# Altium PCB MercurialSDR.PcbDoc (part 4 of 6)
Units mil, origin at the board's own origin, x right, y up, seen from the top; angles counter-clockwise.
Board outline 3937.01 x 2362.2 mil, 2 copper layers (Top Layer, Bottom Layer); 147 components, 115 nets, 574 pads, 237 vias.
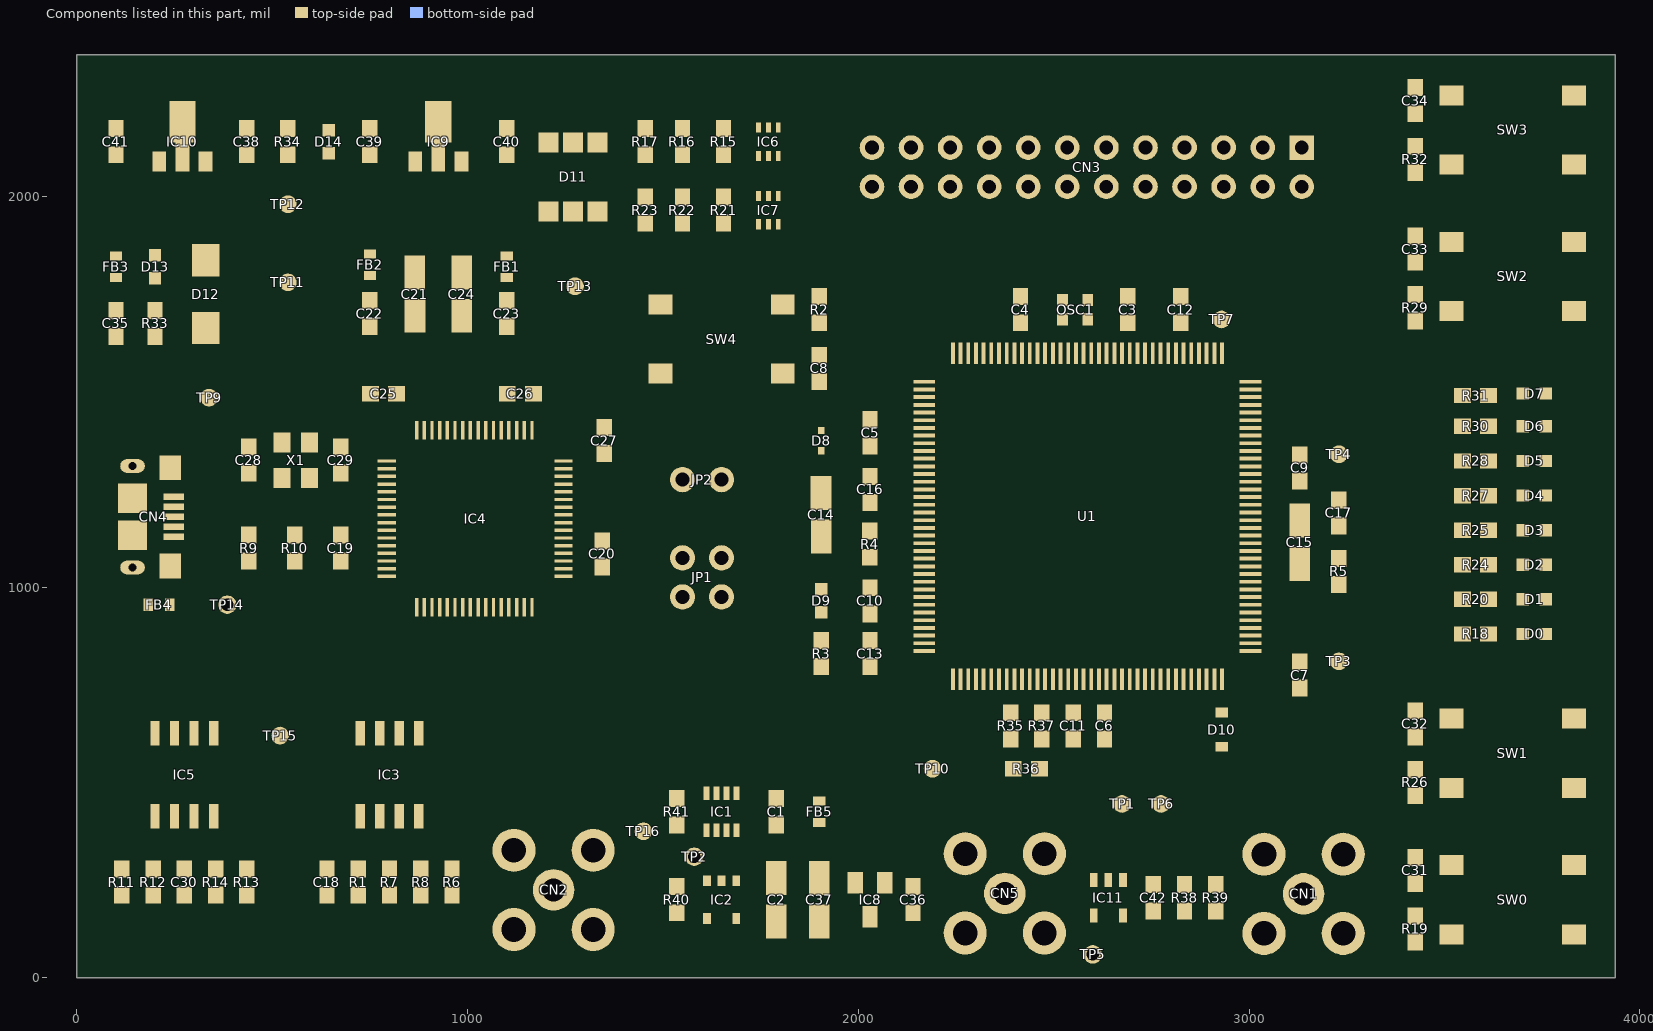
[diagram p4: the components of this part, seen from the top]

## Via types
v1: diameter 27.56, hole 15.75, Top Layer to Bottom Layer, tented both sides, 237 vias

## Nets (pads, with @x,y where several pads share a name; then routed paths per layer and width w, separated by ;. In a path a pad name is that pad's centre, name@x,y a point inside that pad or via, vN(x,y) a via of type N, cw(c..) or ccw(c..) an arc to the next point about the centre after c; other vN are vias at no path point) (continued)
copper on no net: (continued)
  Bottom Layer w0.9: 3730,289.3 3730,303.7 ; 3730,338.8 3730,353.2 ; 3730,368.5 3730,390.1 ; 3730,416.2 3730,430.6 ; 3730,445 3730,460.3 ; 3730,476.5 3730,490 ; 3730,526 3730,540.4 ; 3730,572.8 3730,587.2 ; 3730,625 3730,644.8 ; 3730,662.8 3730,682.6 ; 3730,719.5 3730,724.9 ; 3730,733 3730,738.4 ; 3730,767.2 3730,784.3 ; 3730,792.4 3730,805 ; 3730,813.1 3730,830.2 ; 3730,858.1 3730,863.5 ; 3730,872.5 3730,877 ; 3730.9,86.8 3730.9,94 ; 3730.9,104.8 3730.9,108.4 ; 3730.9,111.1 3730.9,114.7 ; 3730.9,121.9 3730.9,125.5 ; 3730.9,128.2 3730.9,130.9 ; 3730.9,136.3 3730.9,139.9 ; 3730.9,142.6 3730.9,145.3 ; 3730.9,163.3 3730.9,170.5 ; 3730.9,172.3 3730.9,175.9 ; 3730.9,186.7 3730.9,190.3 ; 3730.9,192.1 3730.9,194.8 ; 3730.9,198.4 3730.9,202.9 ; 3730.9,203.8 3730.9,206.5 ; 3730.9,218.2 3730.9,221.8 ; 3730.9,224.5 3730.9,228.1 ; 3730.9,236.2 3730.9,239.8 ; 3730.9,242.5 3730.9,247 ; 3730.9,253.3 3730.9,256 ; 3730.9,289.3 3730.9,303.7 ; 3730.9,338.8 3730.9,353.2 ; 3730.9,368.5 3730.9,430.6 ; 3730.9,445 3730.9,461.2 ; 3730.9,476.5 3730.9,490 ; 3730.9,526 3730.9,540.4 ; 3730.9,572.8 3730.9,587.2 ; 3730.9,625.9 3730.9,648.4 ; 3730.9,659.2 3730.9,681.7 ; 3730.9,719.5 3730.9,724.9 ; 3730.9,733 3730.9,738.4 ; 3730.9,766.3 3730.9,783.4 ; 3730.9,792.4 3730.9,805 ; 3730.9,814 3730.9,831.1 ; 3730.9,858.1 3730.9,863.5 ; 3730.9,871.6 3730.9,877 ; 3731.8,83.2 3731.8,93.1 ; 3731.8,95.8 3731.8,108.4 ; 3731.8,111.1 3731.8,125.5 ; 3731.8,128.2 3731.8,130.9 ; 3731.8,136.3 3731.8,139.9 ; 3731.8,142.6 3731.8,146.2 ; 3731.8,159.7 3731.8,169.6 ; 3731.8,172.3 3731.8,175.9 ; 3731.8,186.7 3731.8,190.3 ; 3731.8,192.1 3731.8,194.8 ; 3731.8,198.4 3731.8,202 ; 3731.8,203.8 3731.8,206.5 ; 3731.8,209.2 3731.8,221.8 ; 3731.8,224.5 3731.8,228.1 ; 3731.8,236.2 3731.8,239.8 ; 3731.8,243.4 3731.8,256 ; 3731.8,289.3 3731.8,303.7 ; 3731.8,338.8 3731.8,353.2 ; 3731.8,369.4 3731.8,430.6 ; 3731.8,444.1 3731.8,461.2 ; 3731.8,476.5 3731.8,490 ; 3731.8,526 3731.8,540.4 ; 3731.8,572.8 3731.8,587.2 ; 3731.8,625.9 3731.8,680.8 ; 3731.8,720.4 3731.8,724.9 ; 3731.8,733.9 3731.8,739.3 ; 3731.8,766.3 3731.8,782.5 ; 3731.8,792.4 3731.8,805 ; 3731.8,814.9 3731.8,831.1 ; 3731.8,858.1 3731.8,863.5 ; 3731.8,871.6 3731.8,877 ; 3732.7,81.4 3732.7,92.2 ; 3732.7,95.8 3732.7,108.4 ; 3732.7,112 3732.7,125.5 ; 3732.7,128.2 3732.7,130.9 ; 3732.7,135.4 3732.7,139 ; 3732.7,142.6 3732.7,146.2 ; 3732.7,157.9 3732.7,168.7 ; 3732.7,172.3 3732.7,175.9 ; 3732.7,186.7 3732.7,190.3 ; 3732.7,192.1 3732.7,194.8 ; 3732.7,197.5 3732.7,201.1 ; 3732.7,203.8 3732.7,206.5 ; 3732.7,209.2 3732.7,221.8 ; 3732.7,224.5 3732.7,228.1 ; 3732.7,236.2 3732.7,239.8 ; 3732.7,243.4 3732.7,256 ; 3732.7,289.3 3732.7,303.7 ; 3732.7,338.8 3732.7,353.2 ; 3732.7,369.4 3732.7,430.6 ; 3732.7,444.1 3732.7,462.1 ; 3732.7,476.5 3732.7,490 ; 3732.7,526 3732.7,540.4 ; 3732.7,572.8 3732.7,587.2 ; 3732.7,626.8 3732.7,680.8 ; 3732.7,720.4 3732.7,725.8 ; 3732.7,733.9 3732.7,739.3 ; 3732.7,766.3 3732.7,782.5 ; 3732.7,792.4 3732.7,805 ; 3732.7,815.8 3732.7,832 ; 3732.7,857.2 3732.7,862.6 ; 3732.7,870.7 3732.7,876.1 ; 3733.6,80.5 3733.6,89.5 ; 3733.6,95.8 3733.6,108.4 ; 3733.6,112 3733.6,125.5 ; 3733.6,128.2 3733.6,130.9 ; 3733.6,135.4 3733.6,139 ; 3733.6,143.5 3733.6,147.1 ; 3733.6,157 3733.6,166 ; 3733.6,172.3 3733.6,175.9 ; 3733.6,186.7 3733.6,190.3 ; 3733.6,192.1 3733.6,194.8 ; 3733.6,196.6 3733.6,201.1 ; 3733.6,203.8 3733.6,206.5 ; 3733.6,209.2 3733.6,221.8 ; 3733.6,224.5 3733.6,228.1 ; 3733.6,236.2 3733.6,239.8 ; 3733.6,242.5 3733.6,256 ; 3733.6,289.3 3733.6,303.7 ; 3733.6,338.8 3733.6,353.2 ; 3733.6,370.3 3733.6,430.6 ; 3733.6,444.1 3733.6,462.1 ; 3733.6,476.5 3733.6,490 ; 3733.6,526 3733.6,540.4 ; 3733.6,572.8 3733.6,587.2 ; 3733.6,627.7 3733.6,679.9 ; 3733.6,720.4 3733.6,725.8 ; 3733.6,733.9 3733.6,740.2 ; 3733.6,765.4 3733.6,781.6 ; 3733.6,792.4 3733.6,805 ; 3733.6,815.8 3733.6,832 ; 3733.6,857.2 3733.6,862.6 ; 3733.6,870.7 3733.6,876.1 ; 3734.5,79.6 3734.5,85.9 ; 3734.5,104.8 3734.5,108.4 ; 3734.5,112 3734.5,125.5 ; 3734.5,128.2 3734.5,130.9 ; 3734.5,135.4 3734.5,147.1 ; 3734.5,157 3734.5,162.4 ; 3734.5,172.3 3734.5,175.9 ; 3734.5,186.7 3734.5,190.3 ; 3734.5,192.1 3734.5,194.8 ; 3734.5,196.6 3734.5,200.2 ; 3734.5,203.8 3734.5,206.5 ; 3734.5,218.2 3734.5,221.8 ; 3734.5,224.5 3734.5,228.1 ; 3734.5,236.2 3734.5,239.8 ; 3734.5,241.6 3734.5,246.1 ; 3734.5,253.3 3734.5,256 ; 3734.5,289.3 3734.5,303.7 ; 3734.5,338.8 3734.5,353.2 ; 3734.5,371.2 3734.5,430.6 ; 3734.5,444.1 3734.5,462.1 ; 3734.5,476.5 3734.5,490 ; 3734.5,526 3734.5,540.4 ; 3734.5,572.8 3734.5,587.2 ; 3734.5,628.6 3734.5,679 ; 3734.5,721.3 3734.5,725.8 ; 3734.5,734.8 3734.5,740.2 ; 3734.5,765.4 3734.5,780.7 ; 3734.5,792.4 3734.5,805 ; 3734.5,816.7 3734.5,832 ; 3734.5,856.3 3734.5,861.7 ; 3734.5,870.7 3734.5,876.1 ; 3735.4,79.6 3735.4,83.2 ; 3735.4,91.3 3735.4,94 ; 3735.4,104.8 3735.4,108.4 ; 3735.4,111.1 3735.4,114.7 ; 3735.4,121.9 3735.4,125.5 ; 3735.4,128.2 3735.4,130.9 ; 3735.4,134.5 3735.4,147.1 ; 3735.4,156.1 3735.4,160.6 ; 3735.4,167.8 3735.4,171.4 ; 3735.4,172.3 3735.4,175.9 ; 3735.4,186.7 3735.4,189.4 ; 3735.4,192.1 3735.4,194.8 ; 3735.4,195.7 3735.4,199.3 ; 3735.4,203.8 3735.4,206.5 ; 3735.4,218.2 3735.4,221.8 ; 3735.4,224.5 3735.4,228.1 ; 3735.4,236.2 3735.4,239.8 ; 3735.4,241.6 3735.4,245.2 ; 3735.4,253.3 3735.4,256 ; 3735.4,289.3 3735.4,303.7 ; 3735.4,338.8 3735.4,353.2 ; 3735.4,372.1 3735.4,430.6 ; 3735.4,444.1 3735.4,462.1 ; 3735.4,476.5 3735.4,490 ; 3735.4,526 3735.4,540.4 ; 3735.4,572.8 3735.4,587.2 ; 3735.4,629.5 3735.4,678.1 ; 3735.4,721.3 3735.4,726.7 ; 3735.4,734.8 3735.4,741.1 ; 3735.4,765.4 3735.4,780.7 ; 3735.4,792.4 3735.4,805 ; 3735.4,816.7 3735.4,832.9 ; 3735.4,856.3 3735.4,861.7 ; 3735.4,869.8 3735.4,875.2 ; 3736.3,79.6 3736.3,83.2 ; 3736.3,91.3 3736.3,94 ; 3736.3,104.8 3736.3,108.4 ; 3736.3,111.1 3736.3,114.7 ; 3736.3,121.9 3736.3,125.5 ; 3736.3,128.2 3736.3,130.9 ; 3736.3,134.5 3736.3,148 ; 3736.3,156.1 3736.3,159.7 ; 3736.3,167.8 3736.3,171.4 ; 3736.3,172.3 3736.3,175.9 ; 3736.3,185.8 3736.3,189.4 ; 3736.3,192.1 3736.3,199.3 ; 3736.3,203.8 3736.3,206.5 ; 3736.3,218.2 3736.3,221.8 ; 3736.3,224.5 3736.3,228.1 ; 3736.3,236.2 3736.3,239.8 ; 3736.3,241.6 3736.3,245.2 ; 3736.3,253.3 3736.3,256 ; 3736.3,289.3 3736.3,303.7 ; 3736.3,338.8 3736.3,353.2 ; 3736.3,373 3736.3,430.6 ; 3736.3,444.1 3736.3,462.1 ; 3736.3,476.5 3736.3,490 ; 3736.3,526 3736.3,540.4 ; 3736.3,572.8 3736.3,587.2 ; 3736.3,630.4 3736.3,677.2 ; 3736.3,721.3 3736.3,726.7 ; 3736.3,735.7 3736.3,741.1 ; 3736.3,764.5 3736.3,779.8 ; 3736.3,792.4 3736.3,805 ; 3736.3,817.6 3736.3,832.9 ; 3736.3,855.4 3736.3,860.8 ; 3736.3,869.8 3736.3,875.2 ; 3737.2,79.6 3737.2,82.3 ; 3737.2,91.3 3737.2,94 ; 3737.2,104.8 3737.2,108.4 ; 3737.2,111.1 3737.2,114.7 ; 3737.2,121.9 3737.2,125.5 ; 3737.2,128.2 3737.2,130.9 ; 3737.2,133.6 3737.2,138.1 ; 3737.2,144.4 3737.2,148 ; 3737.2,156.1 3737.2,159.7 ; 3737.2,167.8 3737.2,171.4 ; 3737.2,173.2 3737.2,176.8 ; 3737.2,185.8 3737.2,189.4 ; 3737.2,192.1 3737.2,198.4 ; 3737.2,203.8 3737.2,206.5 ; 3737.2,218.2 3737.2,221.8 ; 3737.2,224.5 3737.2,228.1 ; 3737.2,236.2 3737.2,239.8 ; 3737.2,241.6 3737.2,245.2 ; 3737.2,253.3 3737.2,256 ; 3737.2,289.3 3737.2,303.7 ; 3737.2,338.8 3737.2,353.2 ; 3737.2,374.8 3737.2,430.6 ; 3737.2,444.1 3737.2,462.1 ; 3737.2,476.5 3737.2,490 ; 3737.2,526 3737.2,540.4 ; 3737.2,572.8 3737.2,587.2 ; 3737.2,631.3 3737.2,676.3 ; 3737.2,722.2 3737.2,727.6 ; 3737.2,735.7 3737.2,742 ; 3737.2,764.5 3737.2,779.8 ; 3737.2,792.4 3737.2,805 ; 3737.2,817.6 3737.2,832.9 ; 3737.2,854.5 3737.2,860.8 ; 3737.2,868.9 3737.2,874.3 ; 3738.1,79.6 3738.1,83.2 ; 3738.1,90.4 3738.1,94 ; 3738.1,104.8 3738.1,108.4 ; 3738.1,111.1 3738.1,113.8 ; 3738.1,121.9 3738.1,125.5 ; 3738.1,128.2 3738.1,130.9 ; 3738.1,133.6 3738.1,137.2 ; 3738.1,145.3 3738.1,148.9 ; 3738.1,156.1 3738.1,159.7 ; 3738.1,166.9 3738.1,171.4 ; 3738.1,173.2 3738.1,177.7 ; 3738.1,184.9 3738.1,188.5 ; 3738.1,192.1 3738.1,197.5 ; 3738.1,203.8 3738.1,206.5 ; 3738.1,218.2 3738.1,221.8 ; 3738.1,224.5 3738.1,229 ; 3738.1,235.3 3738.1,238.9 ; 3738.1,241.6 3738.1,245.2 ; 3738.1,253.3 3738.1,256 ; 3738.1,289.3 3738.1,303.7 ; 3738.1,338.8 3738.1,353.2 ; 3738.1,375.7 3738.1,430.6 ; 3738.1,444.1 3738.1,462.1 ; 3738.1,476.5 3738.1,490 ; 3738.1,526 3738.1,540.4 ; 3738.1,572.8 3738.1,587.2 ; 3738.1,632.2 3738.1,675.4 ; 3738.1,722.2 3738.1,727.6 ; 3738.1,736.6 3738.1,742 ; 3738.1,764.5 3738.1,778.9 ; 3738.1,792.4 3738.1,805 ; 3738.1,818.5 3738.1,832.9 ; 3738.1,854.5 3738.1,859.9 ; 3738.1,868.9 3738.1,874.3 ; 3739,79.6 3739,84.1 ; 3739,89.5 3739,94 ; 3739,104.8 3739,108.4 ; 3739,111.1 3739,113.8 ; 3739,121.9 3739,125.5 ; 3739,128.2 3739,130.9 ; 3739,133.6 3739,137.2 ; 3739,145.3 3739,148.9 ; 3739,157 3739,161.5 ; 3739,166 3739,170.5 ; 3739,174.1 3739,178.6 ; 3739,183.1 3739,188.5 ; 3739,192.1 3739,197.5 ; 3739,203.8 3739,206.5 ; 3739,218.2 3739,221.8 ; 3739,225.4 3739,229.9 ; 3739,234.4 3739,238.9 ; 3739,241.6 3739,247 ; 3739,253.3 3739,256 ; 3739,289.3 3739,303.7 ; 3739,338.8 3739,353.2 ; 3739,377.5 3739,430.6 ; 3739,445 3739,461.2 ; 3739,476.5 3739,490 ; 3739,526 3739,540.4 ; 3739,572.8 3739,587.2 ; 3739,633.1 3739,673.6 ; 3739,723.1 3739,728.5 ; 3739,737.5 3739,742.9 ; 3739,764.5 3739,778.9 ; 3739,792.4 3739,805 ; 3739,818.5 3739,832.9 ; 3739,853.6 3739,859.9 ; 3739,868 3739,873.4 ; 3739.9,80.5 3739.9,93.1 ; 3739.9,95.8 3739.9,108.4 ; 3739.9,111.1 3739.9,113.8 ; 3739.9,121.9 3739.9,125.5 ; 3739.9,128.2 3739.9,130.9 ; 3739.9,132.7 3739.9,136.3 ; 3739.9,145.3 3739.9,148.9 ; 3739.9,157 3739.9,170.5 ; 3739.9,175 3739.9,187.6 ; 3739.9,192.1 3739.9,196.6 ; 3739.9,203.8 3739.9,206.5 ; 3739.9,208.3 3739.9,221.8 ; 3739.9,225.4 3739.9,238.9 ; 3739.9,242.5 3739.9,256 ; 3739.9,289.3 3739.9,303.7 ; 3739.9,338.8 3739.9,353.2 ; 3739.9,380.2 3739.9,430.6 ; 3739.9,445 3739.9,461.2 ; 3739.9,476.5 3739.9,490 ; 3739.9,526 3739.9,540.4 ; 3739.9,572.8 3739.9,587.2 ; 3739.9,634.9 3739.9,672.7 ; 3739.9,723.1 3739.9,728.5 ; 3739.9,737.5 3739.9,743.8 ; 3739.9,764.5 3739.9,778.9 ; 3739.9,792.4 3739.9,805 ; 3739.9,818.5 3739.9,832.9 ; 3739.9,853.6 3739.9,859 ; 3739.9,868 3739.9,873.4 ; 3740.8,81.4 3740.8,92.2 ; 3740.8,95.8 3740.8,108.4 ; 3740.8,110.2 3740.8,113.8 ; 3740.8,121.9 3740.8,125.5 ; 3740.8,128.2 3740.8,130.9 ; 3740.8,132.7 3740.8,136.3 ; 3740.8,146.2 3740.8,149.8 ; 3740.8,157.9 3740.8,169.6 ; 3740.8,175.9 3740.8,186.7 ; 3740.8,192.1 3740.8,196.6 ; 3740.8,203.8 3740.8,206.5 ; 3740.8,208.3 3740.8,221.8 ; 3740.8,226.3 3740.8,238 ; 3740.8,243.4 3740.8,256 ; 3740.8,289.3 3740.8,303.7 ; 3740.8,338.8 3740.8,353.2 ; 3740.8,382.9 3740.8,430.6 ; 3740.8,445.9 3740.8,460.3 ; 3740.8,476.5 3740.8,490 ; 3740.8,526 3740.8,540.4 ; 3740.8,572.8 3740.8,587.2 ; 3740.8,636.7 3740.8,670.9 ; 3740.8,724 3740.8,729.4 ; 3740.8,738.4 3740.8,743.8 ; 3740.8,764.5 3740.8,778.9 ; 3740.8,792.4 3740.8,805 ; 3740.8,819.4 3740.8,833.8 ; 3740.8,852.7 3740.8,858.1 ; 3740.8,867.1 3740.8,872.5 ; 3741.7,82.3 3741.7,91.3 ; 3741.7,95.8 3741.7,108.4 ; 3741.7,110.2 3741.7,113.8 ; 3741.7,121.9 3741.7,125.5 ; 3741.7,128.2 3741.7,130.9 ; 3741.7,132.7 3741.7,136.3 ; 3741.7,146.2 3741.7,149.8 ; 3741.7,159.7 3741.7,167.8 ; 3741.7,176.8 3741.7,184.9 ; 3741.7,192.1 3741.7,195.7 ; 3741.7,203.8 3741.7,206.5 ; 3741.7,208.3 3741.7,221.8 ; 3741.7,228.1 3741.7,236.2 ; 3741.7,245.2 3741.7,256 ; 3741.7,289.3 3741.7,303.7 ; 3741.7,338.8 3741.7,353.2 ; 3741.7,387.4 3741.7,430.6 ; 3741.7,446.8 3741.7,459.4 ; 3741.7,476.5 3741.7,490 ; 3741.7,526 3741.7,540.4 ; 3741.7,572.8 3741.7,587.2 ; 3741.7,639.4 3741.7,668.2 ; 3741.7,724 3741.7,729.4 ; 3741.7,738.4 3741.7,744.7 ; 3741.7,764.5 3741.7,778.9 ; 3741.7,792.4 3741.7,805 ; 3741.7,819.4 3741.7,833.8 ; 3741.7,851.8 3741.7,858.1 ; 3741.7,867.1 3741.7,872.5 ; 3742.6,447.7 3742.6,458.5 ; 3742.6,642.1 3742.6,665.5 ; 3742.6,724.9 3742.6,730.3 ; 3742.6,739.3 3742.6,745.6 ; 3742.6,764.5 3742.6,778 ; 3742.6,792.4 3742.6,805 ; 3742.6,819.4 3742.6,833.8 ; 3742.6,850.9 3742.6,857.2 ; 3742.6,866.2 3742.6,871.6 ; 3743.5,448.6 3743.5,457.6 ; 3743.5,645.7 3743.5,661 ; 3743.5,724.9 3743.5,730.3 ; 3743.5,740.2 3743.5,745.6 ; 3743.5,764.5 3743.5,778 ; 3743.5,792.4 3743.5,805 ; 3743.5,819.4 3743.5,833.8 ; 3743.5,850.9 3743.5,857.2 ; 3743.5,866.2 3743.5,871.6 ; 3744.4,725.8 3744.4,731.2 ; 3744.4,740.2 3744.4,746.5 ; 3744.4,764.5 3744.4,778 ; 3744.4,792.4 3744.4,805 ; 3744.4,819.4 3744.4,833.8 ; 3744.4,850 3744.4,856.3 ; 3744.4,865.3 3744.4,870.7 ; 3745.3,725.8 3745.3,732.1 ; 3745.3,741.1 3745.3,747.4 ; 3745.3,849.1 3745.3,855.4 ; 3745.3,864.4 3745.3,870.7 ; 3746.2,726.7 3746.2,732.1 ; 3746.2,742 3746.2,748.3 ; 3746.2,848.2 3746.2,854.5 ; 3746.2,864.4 3746.2,869.8 ; 3747.1,726.7 3747.1,733 ; 3747.1,742 3747.1,749.2 ; 3747.1,848.2 3747.1,854.5 ; 3747.1,863.5 3747.1,869.8 ; 3748,727.6 3748,733.9 ; 3748,742.9 3748,749.2 ; 3748,847.3 3748,853.6 ; 3748,863.5 3748,868.9 ; 3748.9,728.5 3748.9,733.9 ; 3748.9,743.8 3748.9,750.1 ; 3748.9,846.4 3748.9,852.7 ; 3748.9,862.6 3748.9,868 ; 3749.8,728.5 3749.8,734.8 ; 3749.8,744.7 3749.8,751 ; 3749.8,845.5 3749.8,851.8 ; 3749.8,861.7 3749.8,868 ; 3750.7,729.4 3750.7,735.7 ; 3750.7,745.6 3750.7,751.9 ; 3750.7,844.6 3750.7,850.9 ; 3750.7,860.8 3750.7,867.1 ; 3751.6,730.3 3751.6,735.7 ; 3751.6,746.5 3751.6,752.8 ; 3751.6,843.7 3751.6,850.9 ; 3751.6,860.8 3751.6,866.2 ; 3752.5,730.3 3752.5,736.6 ; 3752.5,747.4 3752.5,753.7 ; 3752.5,842.8 3752.5,850 ; 3752.5,859.9 3752.5,866.2 ; 3753.4,731.2 3753.4,737.5 ; 3753.4,747.4 3753.4,754.6 ; 3753.4,841.9 3753.4,849.1 ; 3753.4,859 3753.4,865.3 ; 3754.3,732.1 3754.3,738.4 ; 3754.3,748.3 3754.3,756.4 ; 3754.3,840.1 3754.3,848.2 ; 3754.3,858.1 3754.3,864.4 ; 3755.2,733 3755.2,739.3 ; 3755.2,749.2 3755.2,757.3 ; 3755.2,839.2 3755.2,847.3 ; 3755.2,857.2 3755.2,864.4 ; 3756.1,733 3756.1,740.2 ; 3756.1,751 3756.1,758.2 ; 3756.1,838.3 3756.1,846.4 ; 3756.1,857.2 3756.1,863.5 ; 3757,733.9 3757,740.2 ; 3757,751.9 3757,759.1 ; 3757,837.4 3757,845.5 ; 3757,856.3 3757,862.6 ; 3757.9,734.8 3757.9,741.1 ; 3757.9,752.8 3757.9,760.9 ; 3757.9,835.6 3757.9,843.7 ; 3757.9,855.4 3757.9,861.7 ; 3758.8,735.7 3758.8,742 ; 3758.8,753.7 3758.8,761.8 ; 3758.8,834.7 3758.8,842.8 ; 3758.8,854.5 3758.8,860.8 ; 3759.7,736.6 3759.7,742.9 ; 3759.7,754.6 3759.7,763.6 ; 3759.7,832.9 3759.7,841.9 ; 3759.7,853.6 3759.7,859.9 ; 3760.6,737.5 3760.6,743.8 ; 3760.6,755.5 3760.6,764.5 ; 3760.6,832 3760.6,841 ; 3760.6,852.7 3760.6,859.9 ; 3761.5,738.4 3761.5,744.7 ; 3761.5,757.3 3761.5,766.3 ; 3761.5,830.2 3761.5,839.2 ; 3761.5,851.8 3761.5,859 ; 3762.4,738.4 3762.4,745.6 ; 3762.4,758.2 3762.4,768.1 ; 3762.4,828.4 3762.4,838.3 ; 3762.4,850.9 3762.4,858.1 ; 3763.3,739.3 3763.3,747.4 ; 3763.3,760 3763.3,769.9 ; 3763.3,826.6 3763.3,836.5 ; 3763.3,850 3763.3,857.2 ; 3764.2,740.2 3764.2,748.3 ; 3764.2,760.9 3764.2,771.7 ; 3764.2,824.8 3764.2,835.6 ; 3764.2,848.2 3764.2,856.3 ; 3765.1,742 3765.1,749.2 ; 3765.1,762.7 3765.1,773.5 ; 3765.1,823 3765.1,833.8 ; 3765.1,847.3 3765.1,855.4 ; 3766,742.9 3766,750.1 ; 3766,764.5 3766,776.2 ; 3766,820.3 3766,832 ; 3766,846.4 3766,853.6 ; 3766.9,743.8 3766.9,751.9 ; 3766.9,766.3 3766.9,778.9 ; 3766.9,817.6 3766.9,831.1 ; 3766.9,845.5 3766.9,852.7 ; 3767.8,744.7 3767.8,752.8 ; 3767.8,768.1 3767.8,781.6 ; 3767.8,814.9 3767.8,829.3 ; 3767.8,843.7 3767.8,851.8 ; 3768.7,745.6 3768.7,753.7 ; 3768.7,769.9 3768.7,785.2 ; 3768.7,811.3 3768.7,826.6 ; 3768.7,842.8 3768.7,850.9 ; 3769.6,746.5 3769.6,755.5 ; 3769.6,771.7 3769.6,791.5 ; 3769.6,805 3769.6,824.8 ; 3769.6,841 3769.6,850 ; 3770.5,748.3 3770.5,756.4 ; 3770.5,774.4 3770.5,822.1 ; 3770.5,840.1 3770.5,848.2 ; 3771.4,749.2 3771.4,758.2 ; 3771.4,777.1 3771.4,819.4 ; 3771.4,838.3 3771.4,847.3 ; 3772.3,750.1 3772.3,760 ; 3772.3,779.8 3772.3,816.7 ; 3772.3,837.4 3772.3,846.4 ; 3773.2,751.9 3773.2,760.9 ; 3773.2,783.4 3773.2,813.1 ; 3773.2,835.6 3773.2,844.6 ; 3774.1,752.8 3774.1,762.7 ; 3774.1,788.8 3774.1,807.7 ; 3774.1,833.8 3774.1,843.7 ; 3775,754.6 3775,764.5 ; 3775,832 3775,841.9 ; 3775.9,756.4 3775.9,766.3 ; 3775.9,830.2 3775.9,841 ; 3776.8,757.3 3776.8,769 ; 3776.8,827.5 3776.8,839.2 ; 3777.7,759.1 3777.7,770.8 ; 3777.7,825.7 3777.7,837.4 ; 3778.6,760.9 3778.6,773.5 ; 3778.6,823 3778.6,835.6 ; 3779.5,762.7 3779.5,776.2 ; 3779.5,820.3 3779.5,833.8 ; 3780.4,764.5 3780.4,779.8 ; 3780.4,816.7 3780.4,832 ; 3781.3,767.2 3781.3,783.4 ; 3781.3,813.1 3781.3,830.2 ; 3782.2,769 3782.2,789.7 ; 3782.2,806.8 3782.2,827.5 ; 3783.1,771.7 3783.1,824.8 ; 3784,774.4 3784,822.1 ; 3784.9,778 3784.9,818.5 ; 3785.8,781.6 3785.8,814.9 ; 3786.7,787 3786.7,809.5